# Altium PCB LimeSDR-XTRX_1v2.PcbDoc (part 6 of 8) (continued)
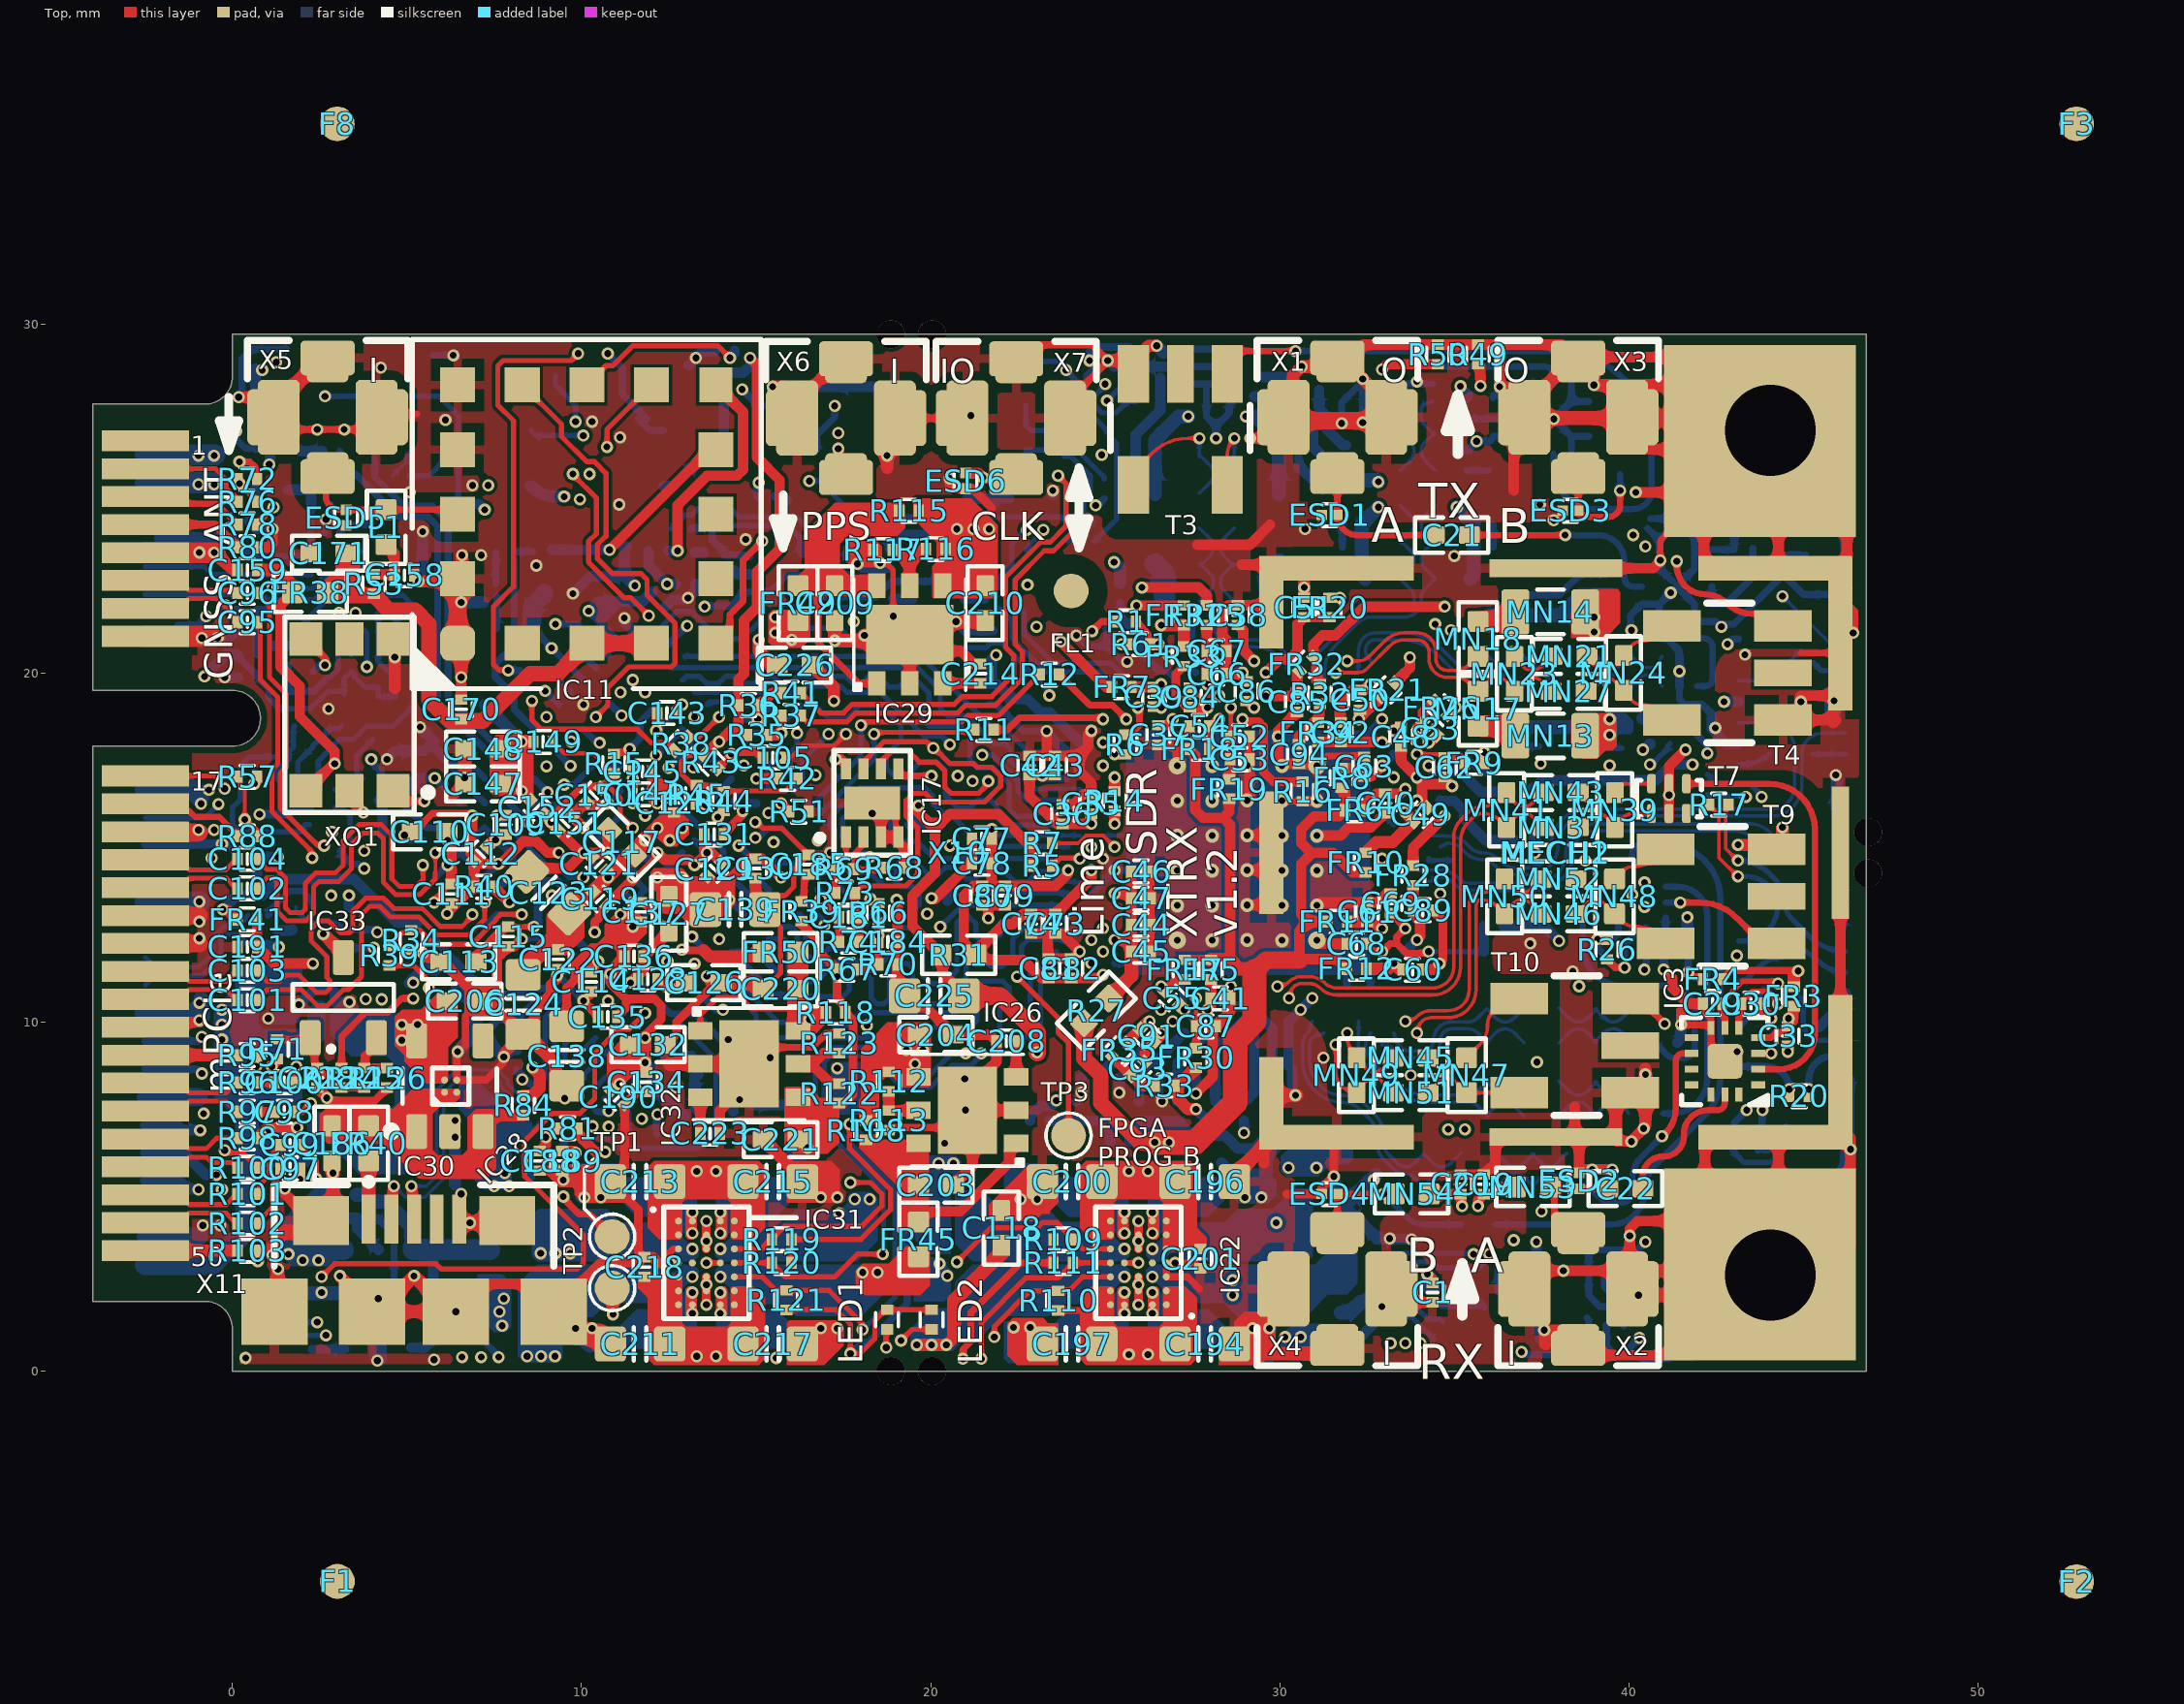
[diagram p0: Top view]
## Nets (pads, with @x,y where several pads share a name; then routed paths per layer and width w, separated by ;. In a path a pad name is that pad's centre, name@x,y a point inside that pad or via, vN(x,y) a via of type N, cw(c..) or ccw(c..) an arc to the next point about the centre after c; other vN are vias at no path point) (continued)
USB_D_N: IC19.D1 X10.36 X11.2 | length 26.2
  Top w0.3: X11.2@4.6,4.4 v1@4.6,5.275
  L4 w0.1: v1(-0.875,9.574) -0.45,9.15 -0.242,9.15 0,8.908 0,8.225 -0.475,7.75 -0.942,7.75 -1.35,7.342 -1.35,4.133 -0.892,3.675 -0.567,3.675 1.183,1.925 2.975,1.925 4.775,3.725 4.775,5.1 v1@4.6,5.275
  Bottom w0.1: v1(4.625,5.3) 4.95,4.975 5.508,4.975 6.05,5.517 6.05,7.967 6.508,8.425 7.525,8.425 7.679,8.271 7.679,8.161 8.314,7.526 IC19.D1@8.668,7.526
  Bottom w0.2: X10.36@-2.5,9.45 -1,9.45 v1(-0.875,9.574)
USB_D_P: IC19.E1 X10.38 X11.3 | length 25.5
  Top w0.3: X11.3@5.15,4.4 v1@5.15,5.275
  L4 w0.1: v1(-0.875,8.525) -0.45,8.95 -0.325,8.95 -0.2,8.825 -0.2,8.308 -0.558,7.95 -1.025,7.95 -1.55,7.425 -1.55,4.05 -0.975,3.475 -0.65,3.475 1.1,1.725 3.058,1.725 4.975,3.642 4.975,5.1 v1@5.15,5.275
  Bottom w0.1: v1(5.125,5.3) 5.55,5.3 5.85,5.6 5.85,8.05 6.425,8.625 7.608,8.625 7.879,8.354 7.879,8.244 8.295,7.828 8.366,7.828 IC19.E1@8.385,7.809
  Bottom w0.2: X10.38@-2.5,8.65 -1,8.65 v1(-0.875,8.525)
USB_DIR: IC7.B18 IC19.A4 | length 2.9
  L6 w0.1: v1(10.775,7.45) 10.512,7.713 10.512,8.587 11.118,9.193 v2(11.467,9.193)
  Bottom w0.2: IC19.A4@10.365,7.526 10.466,7.425 v1@10.75,7.425
USB_NRST: IC7.M18 IC19.C2 | length 15.9
  L7 w0.1: v4(9.198,7.49) 9.198,7.087 9.4,6.885 9.4,6.15 9.675,5.875 10.975,5.875 11.725,6.625 v1(11.725,7.225) v1@11.725,7.35
  L6 w0.1: v1(11.725,7.225) 11.925,7.025 12.31,7.025 12.5,7.215 12.5,7.55 12.375,7.675 12.375,8.36 12.725,8.71 12.725,10.125 11.825,11.025 11.825,12.062 13.063,13.3 13.475,13.3 14.004,13.829 14.361,13.829 15.002,13.188 v2(15.002,12.729) ; v1@11.725,7.34 v1@11.725,7.35
USB_NXT: IC7.A18 IC19.B5 | length 1
  Bottom w0.15: IC19.B5@10.365,8.091 IC7.A18@11.063,8.79
USB_STP: IC7.C17 IC19.A3 | length 8.2
  L6 w0.1: v1(10.312,7.012) 10.312,8.463 8.75,10.025 8.75,10.385 8.94,10.575 9.066,10.575 9.691,11.2 10.45,11.2 10.718,10.932 10.894,10.932 11.085,10.742 11.085,10.282 v2(11.467,9.9)
  Bottom w0.2: IC19.A3@10.082,7.243 v1(10.312,7.012)
VCC1P0_INT: C117.2 C118.2 C119.1 C120.1 C121.1 C122.1 C123.2 C124.2 C125.2 C195.2 FR43.1 IC7.G10 IC7.H10 IC7.J10 IC7.L10 IC7.M10 IC7.M11 IC7.N10 IC7.N11 IC22.C4 L2.2 | length 13.8
  Top w0.3: v1(20.45,0.75) v1@20.475,0.75
  Top w0.35: v1(19.6,0.75) v1(20.025,0.75) v1(20.45,0.75) 20.675,0.975
  Top w0.4: C124.2@8.325,11.575 9.588,12.838 9.588,13.006 C120.1@12.478,15.897 ; 20.675,0.975 20.675,2.025 22.025,3.375 C118.2@22.025,3.6
  L6 w0.3: v1(12.527,15.204) v1(12.881,15.557)
  Bottom w0.1: FR43.1@21.25,2.55 FR43.1@21.275,2.55 22.45,2.55 C195.2@22.6,2.4
  Bottom w0.2: IC7.G10@10.406,13.789 v1(10.76,14.143) IC7.J10@11.113,14.496 ; v1(12.174,15.557) IC7.N10@12.527,15.911
  other v1: 25.55,2.7 17.325,8.675 11.82,15.204
VCC1P0_MGTAVCC: C107.2 C108.1 C109.1 FR43.2 IC7.C1 IC7.E1 IC7.F3 IC7.G9 IC7.H9 | length 32.4
  Top w0.3: v1(7.578,15.911) v1@7.591,15.911 ; v1@7.578,15.93 C109.1@7.825,15.93
  L3 w0.25: 8.045,15.755 8.07,15.755 8.07,15.559 8.294,15.335 8.294,15.3 ; 9.628,10.397 9.628,10.778 9.95,11.1 9.95,11.325
  L3 w0.3: v1(7.578,15.911) 7.889,15.911 8.045,15.755 ; 8.294,15.3 9.184,14.411 9.771,14.411 10.039,14.143 v1(10.053,14.143) 10.053,13.775 9.95,13.672 9.95,11.325 ; 9.628,10.397 9.843,10.182 10.936,10.182 11.432,10.679 11.996,10.679 14.1,8.575 14.375,8.575 15.05,7.9 15.05,7.175 16.35,5.875 17.95,5.875 20.25,3.575 v1(20.25,3.075)
  L3 w0.5: v1@20.225,3.075 20.225,2.9 v1@20.4,2.725
  L4 w0.3: v1(5.795,16.986) 6.281,16.5 6.988,16.5 v1(7.578,15.911)
  Bottom w0.15: v1(7.578,15.911) 9.063,14.425 9.346,14.425 9.628,14.143 v1(10.053,14.143)
  Bottom w0.2: C108.1@4.755,16.375 5.563,15.567 5.8,15.567 IC7.C1@5.81,15.557 ; C107.2@5.429,17.021 5.464,16.986 v1(5.795,16.986) IC7.E1@6.517,16.264 ; v1(10.053,14.143) IC7.H9@10.406,14.496
  Bottom w0.3: C108.1@4.755,16.375 5.366,16.986 C107.2@5.464,16.986
  other v1: 20.475,2.725
VCC1P2_MGTAVTT: C110.2 C111.1 C112.1 FR44.2 IC7.B1 IC7.C5 IC7.E2 IC7.G7 R40.1 | length 9.4
  Top w0.2: v1(4.925,15.35) 4.925,15.391 5,15.466 5.216,15.466 5.725,15.975 6.787,15.975 v1@6.861,15.901 ; R40.1@6.845,13.8 6.87,13.8 6.92,13.85 R40.1@6.92,13.875
  Top w0.25: v1(6.15,13.105) R40.1@6.845,13.8
  Top w0.3: v1@6.861,15.901 6.861,15.526 6.817,15.482 6.817,14.852 7.137,14.532 v1(7.613,14.532) 7.623,14.542 7.692,14.542 8.326,15.176 8.696,15.176 9.022,14.85 v1(9.345,14.85) ; R40.1@6.92,13.875 C112.1@6.92,14.619
  Bottom w0.2: v1(4.925,15.35) 5.071,15.204 IC7.B1@5.456,15.204 ; IC7.C5@7.224,14.143 v1(7.613,14.532)
  other v1: 20.225,5.95 20.65,5.95 6.871,15.911
VCC1P4_LMS: C204.2 FR22.2 FR23.2 FR24.2 FR25.2 IC26.4 R108.2 R112.1 | length 62.8
  Top w0.3: 18.475,9.015 19.096,9.636 C204.2@19.646,9.636 C204.2@19.65,9.64 ; v1(26.05,22.45) 27.675,22.45 27.909,22.216 FR25.2@27.909,21.935
  Top w0.6: IC26.4@19.65,8.425 C204.2@19.65,9.64
  L4 w0.3: v1(26.05,22.45) v1@26.06,22.44
  L4 w0.6: v1(28.975,6.825) 32.975,6.825 37.75,11.6 37.75,12.075 v1(38,12.325) 39.375,13.7 39.375,14.125 40.5,15.25 41,15.25 41.825,16.075 v1@41.825,17.25
  L6 w0.5: v1@26.104,22.504 26.625,23.025 32.45,23.025 32.85,22.625 35.075,22.625 38.575,19.125 38.575,17.325 39.15,16.75 39.7,16.75 40.625,15.825 41.5,15.825 41.825,16.15 v1@41.825,17.3
  L6 w0.6: 20.05,9.625 20.7,10.275 24.05,10.275 24.475,9.85 24.95,9.85 25.95,8.85 27.925,8.85 28.975,7.8 v1(28.975,6.825)
  Bottom w0.3: v1(28.975,6.825) FR23.2@28.975,7.17 ; FR24.2@36.405,12.75 37.575,12.75 v1(38,12.325) ; FR22.2@37.185,16.595 37.515,16.925 40.775,16.925 41.225,17.375 v1(41.825,17.375)
  other v1: 19.55,8.8 19.3,9.2 19.775,9.2
VCC1P8: C205.2 FR46.1 FR48.1 FR53.1 IC22.E2 L5.2 | length 39.4
  L4 w0.35: v1(29.9,4.25) 29,4.25 28.4,4.85 28.4,7.125 28.725,7.45 32.05,7.45 33.75,9.15 34.031,9.15 36.68,11.799 36.68,12.48 38.225,14.025 38.225,14.9 39.9,16.575 39.9,20.4 39.475,20.825 39.475,21.796 38.271,23 37.775,23 35.3,25.475 v1(32.825,25.475)
  Bottom w0.1: C205.2@29.3,3.8 29.45,3.65 30.65,3.65
  Bottom w0.3: FR53.1@30.2,27.92 30.225,27.92 30.225,27.775 30.95,27.05 30.95,26.475 FR48.1@31.9,25.525
  Bottom w0.4: FR48.1@31.9,25.525 32.775,25.525 v1(32.825,25.475)
  other v1: 26.35,3.5
VCC1P8_AUX: C113.2 C114.1 C115.1 C116.2 FR46.2 IC7.C9 IC7.C13 IC7.H13 IC7.J13 | length 69.4
  Top w0.15: C115.1@7.9,12.73 8.637,12.73 v1(8.638,12.729)
  Top w0.25: C113.2@6.937,11.85 7.792,12.705 7.875,12.705 C115.1@7.9,12.73
  Top w0.3: C114.1@10.275,11.43 10.3,11.43 10.3,11.548 10.475,11.723 v1(10.475,11.737)
  L3 w0.4: 7.85,11.9 8.153,11.9 8.481,11.9 8.76,12.178 8.76,12.607 v1(8.638,12.729)
  L3 w0.5: 7.85,11.95 6.325,11.95 4.347,13.928 4.347,16.253 3.45,17.15 3.45,19.025 2.775,19.7 2.433,19.7 2.125,20.008 2.125,20.442 2.125,20.675 1.8,21 1.8,22.675 3.7,24.575 6.25,24.575 6.775,24.05 13.325,24.05 14.6,22.775 17.275,22.775 17.55,22.5 18.825,22.5 19.45,21.875 19.45,21.408 19.275,21.233 19.275,16.567 19.125,16.417 19.125,15.983 19.9,15.208 19.9,14.925 20.375,14.45 20.917,14.45 22.85,12.517 22.85,12.009 26.034,8.825 27.95,8.825 29.625,7.15 29.625,6.45 v1(30.25,5.825) v1(31.05,5.825)
  L6 w0.3: v1(10.475,11.737) 10.488,11.737 10.652,11.9 11.239,11.9 12.174,12.835 v2(12.174,13.436)
  Bottom w0.15: IC7.H13@11.82,13.082 v2(12.174,13.436)
  Bottom w0.2: IC7.C13@10.053,11.314 v1(10.475,11.737)
  Bottom w0.25: v1(8.638,12.729) 8.75,12.84 8.75,13.791 8.984,14.025 9.316,14.025 9.7,13.641 9.7,12.511 v1(10.475,11.737)
VCC1P8_CLK: C155.1 C156.2 C161.2 C165.1 C173.2 C176.2 FR48.2 IC8.1 IC8.5 IC8.6 IC10.1 IC10.5 IC12.6 IC14.1 IC14.5 R62.1 | length 64.8
  L4 w0.3: v1(-0.8,19.9) -1.35,20.45 -1.35,23.249 -2.7,24.599 -2.7,26.157 -1.507,27.35 0.45,27.35 0.775,27.675 1.7,27.675 2.4,28.375 3.225,28.375 3.375,28.225 13.3,28.225 14.65,26.875 v1(17.35,26.875)
  L6 w0.25: v1(17.35,26.875) 17.6,26.875 17.775,26.7 17.775,25.525 19.725,23.575 21.398,23.575 21.473,23.65 v2(21.5,23.65)
  L6 w0.3: v2(21.5,23.65) 24.35,23.65 24.7,24 25.325,24 26.5,25.175 29.25,25.175 31.125,27.05 v2(31.125,27.575)
  Bottom w0.15: C161.2@0.63,19.995 0.63,19.95 C161.2@0.705,19.875 ; IC10.5@1.625,18.975 2.227,18.975 2.72,19.468 3.118,19.468 IC10.1@3.125,19.475 3.2,19.4 3.2,19.845 C155.1@3.4,20.045 3.425,20.045 3.5,19.97 3.5,19.88 3.78,19.6 4.175,19.6 IC8.6@4.175,19.325 IC8.5@4.675,19.325 4.675,19.825 4.175,20.325 IC8.1@4.175,20.825 4.175,21.67 C156.2@4.145,21.7
  Bottom w0.18: R62.1@0.225,20.4 C161.2@0.63,19.995 ; C161.2@0.705,19.875 1.025,19.555 1.025,19.3 1.35,18.975 IC10.5@1.625,18.975
  Bottom w0.2: IC12.6@16.325,22.325 16.575,22.325 16.72,22.18 C165.1@17.225,22.18 18.43,22.18 18.875,22.625 IC14.5@19.475,22.625 20,22.625 20.49,23.115 20.965,23.115 IC14.1@20.975,23.125
  Bottom w0.3: v1@-0.8,19.925 -0.2,20.525 R62.1@0.145,20.525 ; IC14.1@20.975,23.125 21,23.125 21,23.15 v2(21.5,23.65) 21.505,23.655 C173.2@21.725,23.655 ; C176.2@31.125,28.1 v2(31.125,27.575) 31.35,27.35 31.35,26.974 31.799,26.525 FR48.2@31.9,26.525
VCC1P8_CLK_BIAS: C177.1 R52.2 R62.2 R64.1 | length 2.3
  Bottom w0.2: R62.2@0.705,20.525 R64.1@0.705,21.175 C177.1@0.705,21.825 1.17,21.825 1.445,21.55 1.47,21.55 1.52,21.5 R52.2@1.52,21.475
VCC1P8_LMS: C3.2 C4.2 C5.2 C6.1 C7.2 C8.1 C9.1 C10.1 C11.2 C12.2 C13.2 C14.2 C15.1 C16.1 C17.1 C18.1 C210.2 FR26.2 FR27.1 FR28.1 FR29.2 FR30.2 FR31.2 FR32.2 FR33.2 IC29.4 MN1.2 MN2.2 MN3.2 MN4.2 MN13.2 MN14.2 MN15.2 MN16.2 R30.2 R32.2 R33.1 R115.2 R116.1 | length 89.8
  Top w0.3: 20.94,23.675 21.561,23.054 21.561,22.504 C210.2@21.565,22.5 ; R32.2@31.15,19.68 31.125,19.68 31.125,19.705 31.05,19.78 31.05,20.362 30.948,20.464 30.966,20.481 30.966,20.816 31.225,21.075 31.6,21.075 32.425,21.9 v1(34.725,21.9) ; FR28.1@33.82,14.48 33.82,14.995 v1(34.725,15.9) ; FR26.2@34.823,18.802 v1(35.035,19.014)
  Top w0.35: v1(26.605,21.37) FR31.2@27.25,21.37 FR33.2@27.25,20.78 ; R33.1@27.005,8.175 R33.1@27.086,8.175 ; R33.1@27.061,8.15 R33.1@27.086,8.175 ; R33.1@27.111,8.175 R33.1@27.086,8.175 ; FR30.2@27.576,8.665 R33.1@27.086,8.175 ; v1(27.6,7.5) 27.375,7.5 27.086,7.789 R33.1@27.086,8.175
  Top w0.6: IC29.4@20.35,22.5 C210.2@21.565,22.5
  L4 w0.35: 25.075,23.05 25.075,21.975 25.68,21.37 v1(26.605,21.37)
  L4 w0.45: 27.125,24.975 27.125,27.1 v1(27.375,27.35) v1(29.025,27.35)
  L4 w0.5: v1@27.6,7.425 27.875,7.425 28.9,8.45 31.625,8.45 33.071,9.896 33.071,10.234 33.378,10.542 34.184,10.542 35.875,12.233 35.875,15.9 35.875,15.975 ; v1(34.725,21.9) 35.7,21.9 36.675,22.875 36.725,22.925 ; v1@34.8,15.9 35.606,15.9 ; v1(35.035,19.014) 36.886,19.014 38.425,17.475 ; v1@37.355,14.85 37.355,15.656
  L4 w1: 21.45,23.75 21.875,23.325 25.475,23.325 27.125,24.975 31.775,24.975 32.275,24.475 35.075,24.475 36.675,22.875 37.4,22.15 38.025,22.15 38.7,21.475 38.7,19.95 39.125,19.525 39.125,18.175 38.425,17.475 38.425,17.025 37.3,15.9 35.875,15.9 35.606,15.9
  Bottom w0.3: v1(27.6,7.5) 27.93,7.17 FR29.2@28.15,7.17
  Bottom w0.35: v1(25.25,23.175) 25.425,23 R30.2@25.425,22.58 ; v1(29.025,27.35) 29.325,27.35 ; v1(37.305,14.85) FR27.1@37.305,15.205 FR27.1@37.305,15.28
  Bottom w0.4: MN15.2@26.425,25.125 26.425,26.675 27.1,27.35 v1(27.375,27.35) ; 29.325,27.35 29.975,26.7 MN16.2@29.975,25.125 ; MN4.2@32.45,22.7 32.35,22.8 32.35,23.034 C4.2@32.35,23.6 C8.1@32.35,24.25 32.35,24.275 v1(32.825,24.75) ; v1(35.075,24.75) 35.55,24.275 C10.1@35.55,24.25 C7.2@35.55,23.6 35.55,23.034 35.55,22.8 MN3.2@35.45,22.7 ; MN1.2@35.9,18.55 36,18.45 36.234,18.45 C11.2@39.9,18.45 ; MN2.2@35.9,21.55 36,21.65 36.234,21.65 37.45,21.65 38.75,21.65 ; C12.2@38.68,22.225 C16.1@39.325,22.225
  other v1: 39.45,18.225 39.45,18.675 39.005,21.174 39.005,21.6 20.75,24.125 21.225,24.125 21.675,24.125
VCC1P25_LMS: C193.2 FR5.2 FR6.2 FR7.2 FR8.2 FR9.2 FR10.2 FR11.2 FR12.2 FR13.2 FR14.2 FR15.2 FR16.2 FR17.2 FR18.2 FR19.2 FR20.2 FR21.2 IC21.4 R27.1 R105.2 R106.1 | length 114.9
  Top w0.3: v1(23.725,20.9) 25.03,19.595 FR7.2@25.192,19.595 ; FR17.2@27.275,11.78 FR5.2@28.025,11.78 ; FR18.2@27.42,17.825 27.42,17.8 27.58,17.64 27.58,16.07 27.8,15.85 28.375,15.85 ; FR19.2@28.55,16.395 28.55,16.025 28.375,15.85 ; 28.575,11.78 28.575,15.65 28.375,15.85 ; FR11.2@31.37,12.875 30.833,12.875 ; FR20.2@31.425,22.155 v1(31.725,22.155) ; FR8.2@31.772,16.71 31.797,16.71 31.797,16.685 31.867,16.615 FR6.2@31.867,16.065 31.867,16.04 31.842,16.04 31.692,15.89 30.978,15.89 30.615,15.526 30.615,15.135 30.9,14.85 ; FR12.2@31.92,11.525 31.645,11.8 30.565,11.8 30.565,12.607 30.833,12.875 ; FR10.2@32.484,14.29 FR10.2@32.459,14.29 32.085,14.29 31.525,14.85 30.9,14.85 ; FR21.2@33.295,19.713 33.725,20.143 v1(33.725,20.443) ; FR9.2@35.855,17.425 v1(35.855,17.725) ; 30.833,12.875 30.615,13.093 30.615,14.526 30.9,14.812 30.9,14.85
  Top w0.4: FR5.2@28.025,11.78 28.57,11.78 28.825,11.525 29.25,11.525
  Top w0.45: R27.1@24.393,9.968 24.393,8.957 24.875,8.475 24.875,7.675 26,6.55 v1(26.42,6.55)
  Top w0.5: 29.275,11.45 29.6,11.775 30.565,11.775
  Top w0.7: v1(26.42,6.55) v1(26.825,6.55) 27.575,6.55 28.725,7.7 28.725,9.475 29.275,10.025 29.275,11.45
  L3 w0.3: v1(23.725,20.9) 23.725,21.425 24.275,21.975 25.175,21.975 25.65,21.5 26.125,21.5 26.65,22.025 31.581,22.025 31.711,22.155 v1(31.725,22.155)
  L4 w0.6: 22.975,6.7 22.975,8.219 23.806,9.05 27.6,9.05 29.275,10.725 29.275,11.3 29.625,11.65 31.3,11.65 31.725,12.075 31.725,17.7 30.837,18.588 ; 30.825,18.6 30.825,21.6 31.38,22.155 v1(31.725,22.155) 32.013,22.155 v1(33.725,20.443) 34.2,19.968 34.2,18.93 35.405,17.725 v1(35.855,17.725)
  L4 w1: 1.95,3.5 2.61,3.5 3.675,4.565 3.675,5.446 4.304,6.075 5.466,6.075 5.625,5.916 6.816,5.916 7.35,6.45 8.13,6.45 8.7,5.88 8.7,4.65 9.15,4.2 11.3,4.2 12.3,5.2 12.3,5.881 12.994,6.575 15,6.575 16.075,5.5 16.075,4.525 16.925,3.675 17.85,3.675 18.325,4.15 18.95,4.15 19.35,4.55 21.1,4.55 23.375,6.825 26.65,6.825
  Bottom w0.3: C193.2@1.91,3.575 C193.2@2.01,3.475 ; C193.2@2.25,3.5 2.344,3.594 R106.1@2.344,4.367 R106.1@2.344,4.392 ; FR16.2@25.705,6.575 25.705,6.905 25.945,7.145 25.945,7.17 FR15.2@25.97,7.17 27.05,7.17 FR14.2@27.075,7.17 27.1,7.17 27.1,7.12 27.47,6.75 28.425,6.75 28.8,6.375 29.275,6.375 29.8,6.9 FR13.2@29.8,7.17
  Bottom w0.6: 2.41,3.475 IC21.4@3.175,3.475
  other v1: 2.01,3.175 2.46,3.175 1.6,3.35
VCC3P3: C126.2 C127.2 C128.1 C129.1 C130.1 C131.1 C132.2 C133.2 C134.1 C135.1 C136.1 C137.1 C138.2 C139.2 C140.2 C141.2 C142.2 C143.1 C144.1 C145.1 C146.1 C147.2 C148.2 C149.1 C150.1 C151.1 C152.1 C153.2 C154.2 C162.1 C172.1 C174.1 C180.1 C182.1 C183.1 C190.1 C199.2 C224.2 FR51.1 FR52.1 FR54.1 IC7.B19 IC7.C14 IC7.C18 IC7.F17 IC7.G12 IC7.G13 IC7.H3 IC7.J7 IC7.K1 IC7.K7 IC7.K12 IC7.K13 IC7.L7 IC7.L12 IC7.L13 IC7.M7 IC7.M8 IC7.M12 IC7.M17 IC7.N7 IC7.N8 IC7.R1 IC7.R17 IC7.U13 IC7.V1 IC7.V6 IC7.V9 IC7.V11 IC9.5 IC13.8 IC14.6 IC16.A3 IC16.B3 IC18.8 IC19.B3 IC22.C2 L3.2 LED1.A LED2.A R35.1 R36.1 R42.1 R43.1 R44.1 R45.1 R83.1 R86.1 R87.1 R109.1 R111.1 R119.1 R120.1 R121.1 X9.4 X12.1 | length 231
  Top w0.15: R43.1@13.522,17.659 R43.1@13.504,17.641 13.486,17.623 13.38,17.623 13.363,17.641 13.056,17.641 12.849,17.434 12.849,17.126 13.2,16.775 13.875,16.775 14.029,16.621 15.842,16.621 16.092,16.871 16.105,16.871 16.18,16.946 R42.1@16.18,16.971 ; R121.1@15.863,1.752 17.293,1.752 17.7,1.345 v1(17.7,0.5) 17.975,0.5 18.4,0.925 18.4,1.45 18.705,1.755 LED2.A@20.025,1.755 ; R120.1@16.085,3 16.01,3.075 R119.1@16.01,3.775 18,3.775 18.85,4.625 18.85,5.2 17.675,6.375 v1(17.675,7.075)
  Top w0.2: C190.1@10.802,8.048 10.822,8.048 11.074,8.3 v1@11.094,8.3 ; v1(20.925,0.35) 20.925,0.625 21.15,0.85 21.15,1.675 22.575,3.1 R111.1@23.515,3.1 R109.1@23.515,3.775
  Top w0.25: C138.2@9.575,9.875 9.575,10.978 9.8,11.203 9.8,11.628 10.309,12.137 10.502,12.137 10.775,12.409 10.775,12.744 v1(11.113,13.082) ; v1(10.828,11.383) 10.828,11.104 11.275,10.658 ; C135.1@11.03,10.15 11.03,10.175 11.275,10.42 11.275,10.658 ; v1@11.825,9.625 12.275,10.075 12.275,10.475 12.092,10.658 11.275,10.658 ; C131.1@14.075,15.375 14.1,15.4 14.1,15.427 14.594,15.921 14.594,16.031 v1(14.613,16.05)
  Top w0.3: C147.2@7.675,16.825 7.728,16.772 8.103,16.772 v1@8.271,16.604 ; C148.2@7.675,17.825 7.872,18.022 v1@8.275,18.022 ; v1(8.285,18.032) v1@8.278,18.025 ; C152.1@8.527,16.348 v1@8.271,16.604 ; C149.1@8.62,18.025 v1@8.278,18.025 ; v1(10.053,15.557) 10.053,15.568 C151.1@9.723,15.898 10.043,16.218 10.7,16.218 10.746,16.264 v1(10.76,16.264) ; C132.2@11.25,9.45 11.35,9.35 C132.2@11.4,9.35 ; v1(11.467,16.264) C144.1@11.467,16.525 v1(11.467,16.971) ; C128.1@12.18,11.225 12.18,11.2 12.205,11.2 12.435,10.97 12.518,10.97 v1(12.527,10.961) 12.537,10.97 12.795,10.97 12.95,11.125 C126.2@13,11.125 ; C143.1@12.725,18.85 12.725,18.937 v1(12.881,19.093) ; R43.1@13.522,17.659 13.895,18.032 v1(13.942,18.032) 14.285,18.375 14.495,18.375 ; 13.987,13.837 14.83,14.68 C130.1@14.975,14.68 15.172,14.68 v1(15.709,14.143) ; R35.1@14.745,18.2 14.67,18.2 14.495,18.375 ; v1(14.825,29.025) 15.025,28.825 15.025,26.175 15.675,25.525 15.675,23.55 15.025,22.9 15.025,21.884 14.65,21.509 14.65,19.975 14.495,19.82 R36.1@14.495,19.075 14.495,18.375 ; v1@8.271,16.604 8.275,16.608 8.275,16.641 8.271,16.645 8.271,17.983 8.275,17.987 v1@8.275,18.022 ; v1@8.275,18.022 v1@8.278,18.025
  Top w0.35: v1@11.47,12.725 C137.1@11.602,12.857 ; 13.177,13.752 C129.1@13.577,14.152
  Top w0.4: v1(10.828,11.383) 11.2,11.755 11.2,12.455 v1@11.47,12.725 ; v1@11.138,13.057 v1(11.467,12.729) v1@11.47,12.725 ; C132.2@11.45,9.4 11.653,9.4 v1@11.8,9.547 ; v1@11.492,12.704 v1@11.47,12.725
  L3 w0.3: v1(9.139,20.713) 9.363,20.713 10.2,21.55 ; v1(10.2,21.774) 10.2,21.55 ; v1(12.881,19.093) 11.549,20.425 11.325,20.425 10.2,21.55 ; v1(13.942,18.032) 13.942,18.018 13.87,17.947 13.87,17.38 14.122,17.128 14.427,17.128 ; v1(14.613,16.05) 14.613,16.487 14.427,16.673 14.427,17.128 ; v1(14.649,17.35) 14.427,17.128 ; v1(15.709,14.143) 15.866,14.3 17.45,14.3
  L3 w0.4: 14.613,16.487 15.237,16.487 15.5,16.75 15.9,16.75 17.6,15.05 17.6,14.45 17.45,14.3 ; v1(28.65,2.175) 29.025,1.8 30.9,1.8 31.4,1.3 36.1,1.3 36.45,1.65 39.6,1.65 v1(40.3,0.95)
  L3 w0.5: 17.45,14.3 17.45,13.5 17.975,12.975 17.975,12.25 18.425,11.8 19.983,11.8 21.658,10.125 23.15,10.125 24.875,8.4 24.875,7.758 25.433,7.2 26.917,7.2 27.35,6.767 27.35,5.225 28.65,3.925 v1(28.65,2.6) v1(28.65,2.175)
  L4 w0.2: v1(17.7,0.5) 17.729,0.529 17.922,0.529 18.644,1.25 20.525,1.25 20.925,0.85 v1(20.925,0.35)
  L4 w0.3: v1(10.76,16.264) v1(11.467,16.264)
  L7 w0.2: v4(9.824,7.501) 9.851,7.501 9.927,7.425 10.194,7.425 v1@11.081,8.313
  L6 w0.2: v1@11.094,8.3 11.095,8.298 11.095,7.943 11.35,7.688 11.35,6.975 11.6,6.725 12.45,6.725 13.125,7.4 17.35,7.4 v1(17.675,7.075) ; v1(12.527,10.961) 12.084,11.404 12.084,11.967 13.167,13.05 13.772,13.05 v1(14.227,13.504)
  L6 w0.25: v2(19.95,23.975) 20.55,24.575 23.543,24.575 23.743,24.375 24.866,24.375 25.15,24.659 25.15,25.424 24.45,26.124 24.45,26.8 24.875,27.225
  L6 w0.3: v1(0.85,28.675) 1.15,28.375 1.85,28.375 2.35,28.875 3.275,28.875 3.875,28.275 14.025,28.275 14.3,28.55 14.6,28.55 14.825,28.775 v1(14.825,29.025) 17.525,29.025 18.1,28.45 23.1,28.45 23.975,27.575 24.525,27.575 ; v1(11.113,13.082) 11.1,13.082 10.961,13.22 10.374,13.22 8.92,14.674 8.92,15.026 9.169,15.275 9.77,15.275 v1(10.053,15.557) 10.125,15.63 10.125,16.3 10.75,16.925 10.75,17.3 10.95,17.5 10.95,17.649 10.95,18.001 11.199,18.25 11.425,18.25 12,18.825 12.525,18.825 ; v1(12.881,14.143) 12.881,14.156 12.809,14.228 12.809,14.773 13.386,15.35 14.088,15.35 14.375,15.637 14.375,15.812 v1(14.613,16.05) ; v1(12.881,19.093) 12.613,18.825 12.525,18.825 ; v1(13.942,18.032) 13.928,18.032 13.846,17.95 13.4,17.95 12.525,18.825 ; v1(24.55,28.95) 24.55,27.6 24.525,27.575 ; v2(29.275,27.925) 26.625,27.925 25.925,27.225 24.875,27.225 24.525,27.575
  Bottom w0.1: C199.2@29.3,2.4 29.45,2.55 30.65,2.55
  Bottom w0.15: C174.1@24.645,28.725 24.645,28.7 24.57,28.625 24.538,28.625 24.45,28.537 24.45,27.551 24.654,27.348 24.654,27.346 25.11,26.89 R87.1@25.11,26.78 25.325,26.565 25.325,24.408 24.775,23.858 24.775,23.845 24.7,23.77 R83.1@24.675,23.77
  Bottom w0.18: C180.1@1.56,25.225 C180.1@1.585,25.2 ; IC16.B3@2.25,23.625 IC16.A3@2.25,24.025 C183.1@2.25,24.825
  Bottom w0.2: C141.2@8.575,21.147 8.725,20.997 8.855,20.997 v1(9.139,20.713) IC7.R1@10.053,19.8 ; v1(10.053,15.557) IC7.K7@10.406,15.911 ; v1(10.2,21.774) IC7.V1@11.113,20.86 ; IC7.C14@10.406,10.961 v1(10.828,11.383) ; v1(10.76,16.264) IC7.M7@11.113,16.618 ; v1(11.467,16.264) IC7.N8@11.82,16.618 ; IC7.M12@12.881,14.85 IC7.L12@12.527,14.496 ; v1(14.227,13.504) IC7.M17@14.649,13.082 ; v1(17.675,7.075) 19.325,5.425 19.325,1.931 18.205,0.812 18.012,0.812 v1(17.7,0.5) ; IC7.L12@12.527,14.496 v1(12.174,14.143) IC7.K13@12.527,13.789 v1(12.881,14.143) IC7.L12@12.527,14.496
  Bottom w0.22: v1(24.55,28.95) 24.55,29.2 24.685,29.335 25.69,29.335 IC13.8@25.75,29.275 ; IC9.5@39.35,1.3 39.35,0.7 39.575,0.475 39.825,0.475 v1(40.3,0.95)
  Bottom w0.25: v1(14.613,16.05) 14.827,16.264 IC7.U13@15.002,16.264 ; IC14.6@19.475,23.125 19.275,23.125 19.25,23.15 19.25,23.183 18.883,23.55 18.825,23.55 18.8,23.575 18.825,23.6 18.825,23.625 19.175,23.975 v2(19.95,23.975)
  Bottom w0.3: C182.1@0.63,28.675 C182.1@0.65,28.675 ; C182.1@0.65,28.715 C182.1@0.65,28.675 ; v1@0.875,28.675 v1(0.85,28.675) C182.1@0.65,28.675 ; C180.1@1.585,25.25 2.25,25.25 ; C183.1@2.25,24.825 2.25,25.2 2.575,25.525 X12.1@2.575,26.35 1.95,26.35 1.625,26.675 1.625,27 1.2,27.425 1.2,27.85 0.895,28.155 R86.1@0.65,28.155 C182.1@0.65,28.675 ; v1(8.285,16.618) 8.753,16.15 9.46,16.15 v1(10.053,15.557) ; v1(10.2,21.774) 10.476,22.05 11.754,22.05 C146.1@12.027,22.323 ; v1(11.82,8.84) 12.025,8.635 12.025,8.125 C140.2@12.625,7.525 ; X9.4@12.35,25.35 12.625,25.35 14.075,26.8 14.075,28.4 14.275,28.6 14.625,28.6 14.825,28.8 v1(14.825,29.025) ; C140.2@12.625,7.475 C140.2@12.8,7.475 ; C140.2@12.65,7.625 C140.2@12.8,7.475 ; C140.2@12.95,7.275 12.95,7.325 C140.2@12.8,7.475 ; C140.2@13.24,7.525 C133.2@13.24,8.465 ; C133.2@13.3,8.5 C133.2@13.35,8.5 ; v2(29.275,27.925) 29.28,27.92 FR54.1@29.525,27.92
  Bottom w0.35: C154.2@7.235,19.082 v1(8.285,18.032)
  Bottom w0.5: C141.2@8.575,21.147 C141.2@8.575,21.197 8.575,21.9 8.925,22.25 C153.2@8.925,22.3
  other v1: 26.35,2.7 11.094,8.225 11.82,9.547
VCC3P3_CLK: C159.1 C175.2 C221.2 FR38.1 FR39.1 IC15.5 IC32.4 R67.1 R118.2 R122.1 R124.2 XO1.5 | length 47.2
  Top w0.2: R124.2@3.125,8.68 3.125,9.589 3.811,10.275 4.45,10.275 4.85,10.675 5,10.675
  Top w0.25: FR39.1@16.295,12.895 16.295,12.805 16.775,12.325 16.775,12.045 R67.1@17.32,11.5 v1(17.32,11.3) 17.32,10.68 17.555,10.445 R118.2@17.555,10.275 17.775,10.055 17.775,7.932 17.468,7.625 16.975,7.625
  Top w0.3: FR38.1@1.725,22.3 1.375,21.95 1.375,20.175 1.925,19.625 1.925,18.75 2.925,17.75 v1(2.925,17.4) 2.915,17.39 2.887,17.39 2.446,16.95 2.425,16.95 XO1.5@2.1,16.625 ; XO1.5@1.875,16.745 XO1.5@1.925,16.795 ; C221.2@16.2,6.635 16.204,6.639 16.754,6.639
  Top w0.35: C159.1@0.73,22.95 1.3,22.95 1.725,22.525 FR38.1@1.725,22.3
  Top w0.6: C221.2@16.2,6.635 IC32.4@16.2,7.85
  L4 w0.2: v1(2.925,17.4) 2.925,16.925 2.2,16.2 2.2,15.5 1.675,14.975 1.675,14.375 1.95,14.1 2.875,14.1 3.175,14.4 v1(3.775,14.4) 4.8,13.375 4.8,10.97 5.02,10.75 5.1,10.75 v1(5.175,10.675) 5.228,10.675 5.378,10.525 5.605,10.525 6.825,9.305 6.825,9.125 8.397,7.553 9.053,7.553 10.3,6.305 10.3,6.12 10.52,5.9 10.83,5.9 11.05,6.12 11.05,6.33 11.445,6.725 12.1,6.725 12.7,7.325 15.55,7.325 v1(16.475,6.4)
  Bottom w0.15: IC15.5@2.937,16.15 2.987,16.1 3.155,16.1 3.375,15.88 3.375,15.225 C175.2@3.075,14.925
  Bottom w0.2: C175.2@3.07,14.9 3.12,14.85 3.12,14.802 3.397,14.525 3.609,14.525 3.734,14.4 v1(3.775,14.4)
VCC3P3_GNSS: C170.2 C171.2 FR38.2 IC11.14 IC11.15 R53.2 | length 13
  Top w0.45: FR38.2@2.725,22.225 4.05,22.225 4.475,21.8 5.225,21.8 5.625,21.4 5.625,19.225 6.225,18.625 7.175,18.625 8.532,19.982 9.332,19.982 9.875,20.525 9.875,20.575 IC11.15@10.15,20.85 IC11.14@12,20.85
VCC3P3_MPCIE: IC23.A1 IC23.B1 IC24.A1 IC24.B1 IC25.1 IC25.3 IC27.1 IC27.3 X10.2 X10.52 | length 27.8
  L4 w0.5: v1@-1.025,26.225 -1.5,25.749 -1.5,25.182 -1.093,24.775 -0.25,24.775 1.925,22.6 1.925,17.975 1.4,17.45 1.4,15.725 0.425,14.75 0.425,11.15 -0.275,10.45 v1@-0.275,9.55 ; v1(-0.975,26.224) v1@-0.6,26.225
  Bottom w0.6: X10.52@-2.5,3.05 -0.585,3.05 0.375,4.01 0.375,6.45 ; X10.2@-2.5,26.25 v1@-0.5,26.25
  other v1: -0.3,9.5 -0.3,9.925 -0.3,10.35 -0.525,26.225
VCC3P3_RF: C227.1 FR1.1 FR2.1 FR3.2 FR4.2 FR51.2 | length 53.8
  Top w0.2: FR4.2@42.68,11.225 42.68,11.25 42.73,11.3 42.755,11.3 42.93,11.475 v1@44.85,11.475
  Top w0.35: FR3.2@44.725,11.065 44.725,11.34 v1(44.85,11.465)
  L4 w0.3: v1(30.15,0.975) 31.025,0.975 33.25,3.2 34.225,3.2 35.075,4.05 36.025,4.05 36.575,4.6 36.575,5.925 39.475,8.825 40.199,8.825 40.299,8.925 40.651,8.925 40.751,8.825 42.8,8.825 43.125,8.5 44.55,8.5 45.05,9 45.05,10.25 44.85,10.45 v1(44.85,11.465)
  L6 w0.4: v1(35.175,28.215) 35.175,28.128 36.45,26.853 36.45,24.2 38.225,22.425 39.8,22.425 40.8,21.425 41.625,21.425 42.375,22.175 43.703,22.175 44.353,22.825 v2(45.63,22.825) 45.63,22.105 44.4,20.875 44.4,19.1 43.531,18.231 43.531,17.485 44.4,16.616 44.4,16.3 44.875,15.825 v1@44.875,11.49
  Bottom w0.3: v1(35.175,28.215) 35.175,28.165 35.375,27.965 FR2.1@35.375,27.885 ; FR1.1@45.08,22.825 v2(45.63,22.825)
  other v1: 30.6,0.975
VCC5P0_USB: C186.2 FR40.2 IC28.A1 IC28.B1 IC30.1 IC30.3 R84.2 | length 1.3
  Top w0.35: IC30.3@7.1,7.05 7.38,7.33 R84.2@8.33,7.33
VCC_CLK: C216.2 FR50.1 IC31.C2 L7.2 | length 36.2
  Top w0.22: v1(12.875,12.075) 12.897,12.053 13.497,12.053
  Top w0.35: 13.497,12.053 13.675,11.875 15.075,11.875 FR50.1@15.2,12
  L3 w0.5: v1(8.825,3.375) v1(9.25,3.375) v1(9.675,3.375) 9.692,3.375 11.2,4.883 11.2,6.562 v1@10.837,6.925
  L4 w0.22: v1(10.775,7) 11,7 11.175,7.175 11.175,7.4 11.4,7.625 11.8,7.625 11.91,7.735 13.916,7.735 14.341,8.16 14.709,8.16 14.894,7.975 15.894,7.975 18.469,5.4 20.644,5.4 21.385,6.141 21.385,7.715 21.15,7.95 20.781,7.95 20.16,8.571 20.16,9.359 19.879,9.64 18.94,9.64 18.815,9.515 17.985,9.515 17.05,10.45 16.782,10.45 16.282,10.95 14.093,10.95 13.87,10.727 13.305,10.727 12.684,11.349 12.302,11.349 12.074,11.577 12.074,11.896 12.299,12.122 12.737,12.122 12.758,12.1 12.85,12.1 v1(12.875,12.075)
  Bottom w0.1: 8.875,3.65 10.075,3.65 C216.2@10.225,3.8
  other v1: 13.175,3.5
VCC_EXT: C187.1 C194.2 C196.2 C197.2 C200.2 C201.1 C207.2 C211.2 C213.2 C215.2 C217.2 C218.1 FR41.1 FR47.2 IC19.C1 IC22.A1 IC22.A5 IC22.B1 IC22.B5 IC22.E1 IC22.F1 IC22.F5 IC22.G1 IC22.G5 IC31.A1 IC31.A5 IC31.B1 IC31.B5 IC31.E1 IC31.F1 IC31.F5 IC31.G1 IC31.G5 R46.2 R110.1 | length 73.1
  Top w0.15: C218.1@11.8,2.7 IC31.E1@12.775,2.7 ; C211.2@12.525,0.775 12.525,1.65 IC31.G1@12.775,1.9 ; C213.2@12.525,5.425 12.525,4.55 IC31.A1@12.775,4.3 ; IC31.G5@14.375,1.9 14.625,1.65 C217.2@14.625,0.775 ; IC31.A5@14.375,4.3 14.625,4.55 C215.2@14.625,5.425 ; C197.2@24.9,0.775 24.9,1.65 IC22.A5@25.15,1.9 ; C200.2@24.9,5.425 24.9,4.55 IC22.G5@25.15,4.3 ; IC22.A1@26.75,1.9 27,1.65 C194.2@27,0.775 ; IC22.E1@26.75,3.5 C201.1@27.725,3.5 ; IC22.G1@26.75,4.3 27,4.55 C196.2@27,5.425
  Top w0.2: R110.1@23.65,1.74 24.45,1.74
  Top w0.3: v1(-0.275,13.225) -0.28,13.22 -0.161,13.22 FR41.1@0.12,12.939
  L4 w1: 7.575,5 7.575,3.529 8.529,2.575 11.15,2.575 12.975,0.75 14.85,0.75 16.425,2.325 ; 13.425,5.425 14.3,5.425 14.8,4.925 14.8,3.95 16.425,2.325 ; 26.1,0.725 24.9,0.725 23.15,2.475 ; 26.175,5.425 25.2,5.425 24.2,4.425 24.2,3.525 23.15,2.475 ; 16.425,2.325 17.325,2.325 17.675,1.975 20.129,1.975 20.154,1.95 20.9,1.95 21.425,2.475 23.15,2.475
  L6 w0.5: v1(-0.275,13.225) -0.275,12.333 -2.025,10.583 -2.025,4.608 -1.067,3.65 0.025,3.65 0.375,4 3.475,4 4.075,4.6 5.317,4.6 6.467,5.75 7.375,5.75 7.65,5.475
  Bottom w0.15: C187.1@8.44,6.945 8.653,6.945 IC19.C1@8.951,7.243
  Bottom w0.3: v1(-0.275,13.225) 0.125,13.625 0.85,13.625 1.32,14.095 3.472,14.095 4.725,12.842 R46.2@5.293,12.842
  other v1: 13.3,0.425 13.85,0.425 25.675,0.475 26.225,0.475 7.5,5.3 7.925,5.3 7.8,5.675 13.3,5.725 13.85,5.725 25.675,5.725 26.225,5.725